# Altium PCB WX0.010.983PCB-4.2(1).PcbDoc (part 1 of 2)
Units mil, origin at the board's own origin, x right, y up, seen from the top; angles counter-clockwise.
Board outline 4734.45 x 7758.08 mil, 2 copper layers (Top Layer, Bottom Layer), stack 12.8 mil thick; 188 components, 143 nets, 633 pads, 443 vias.
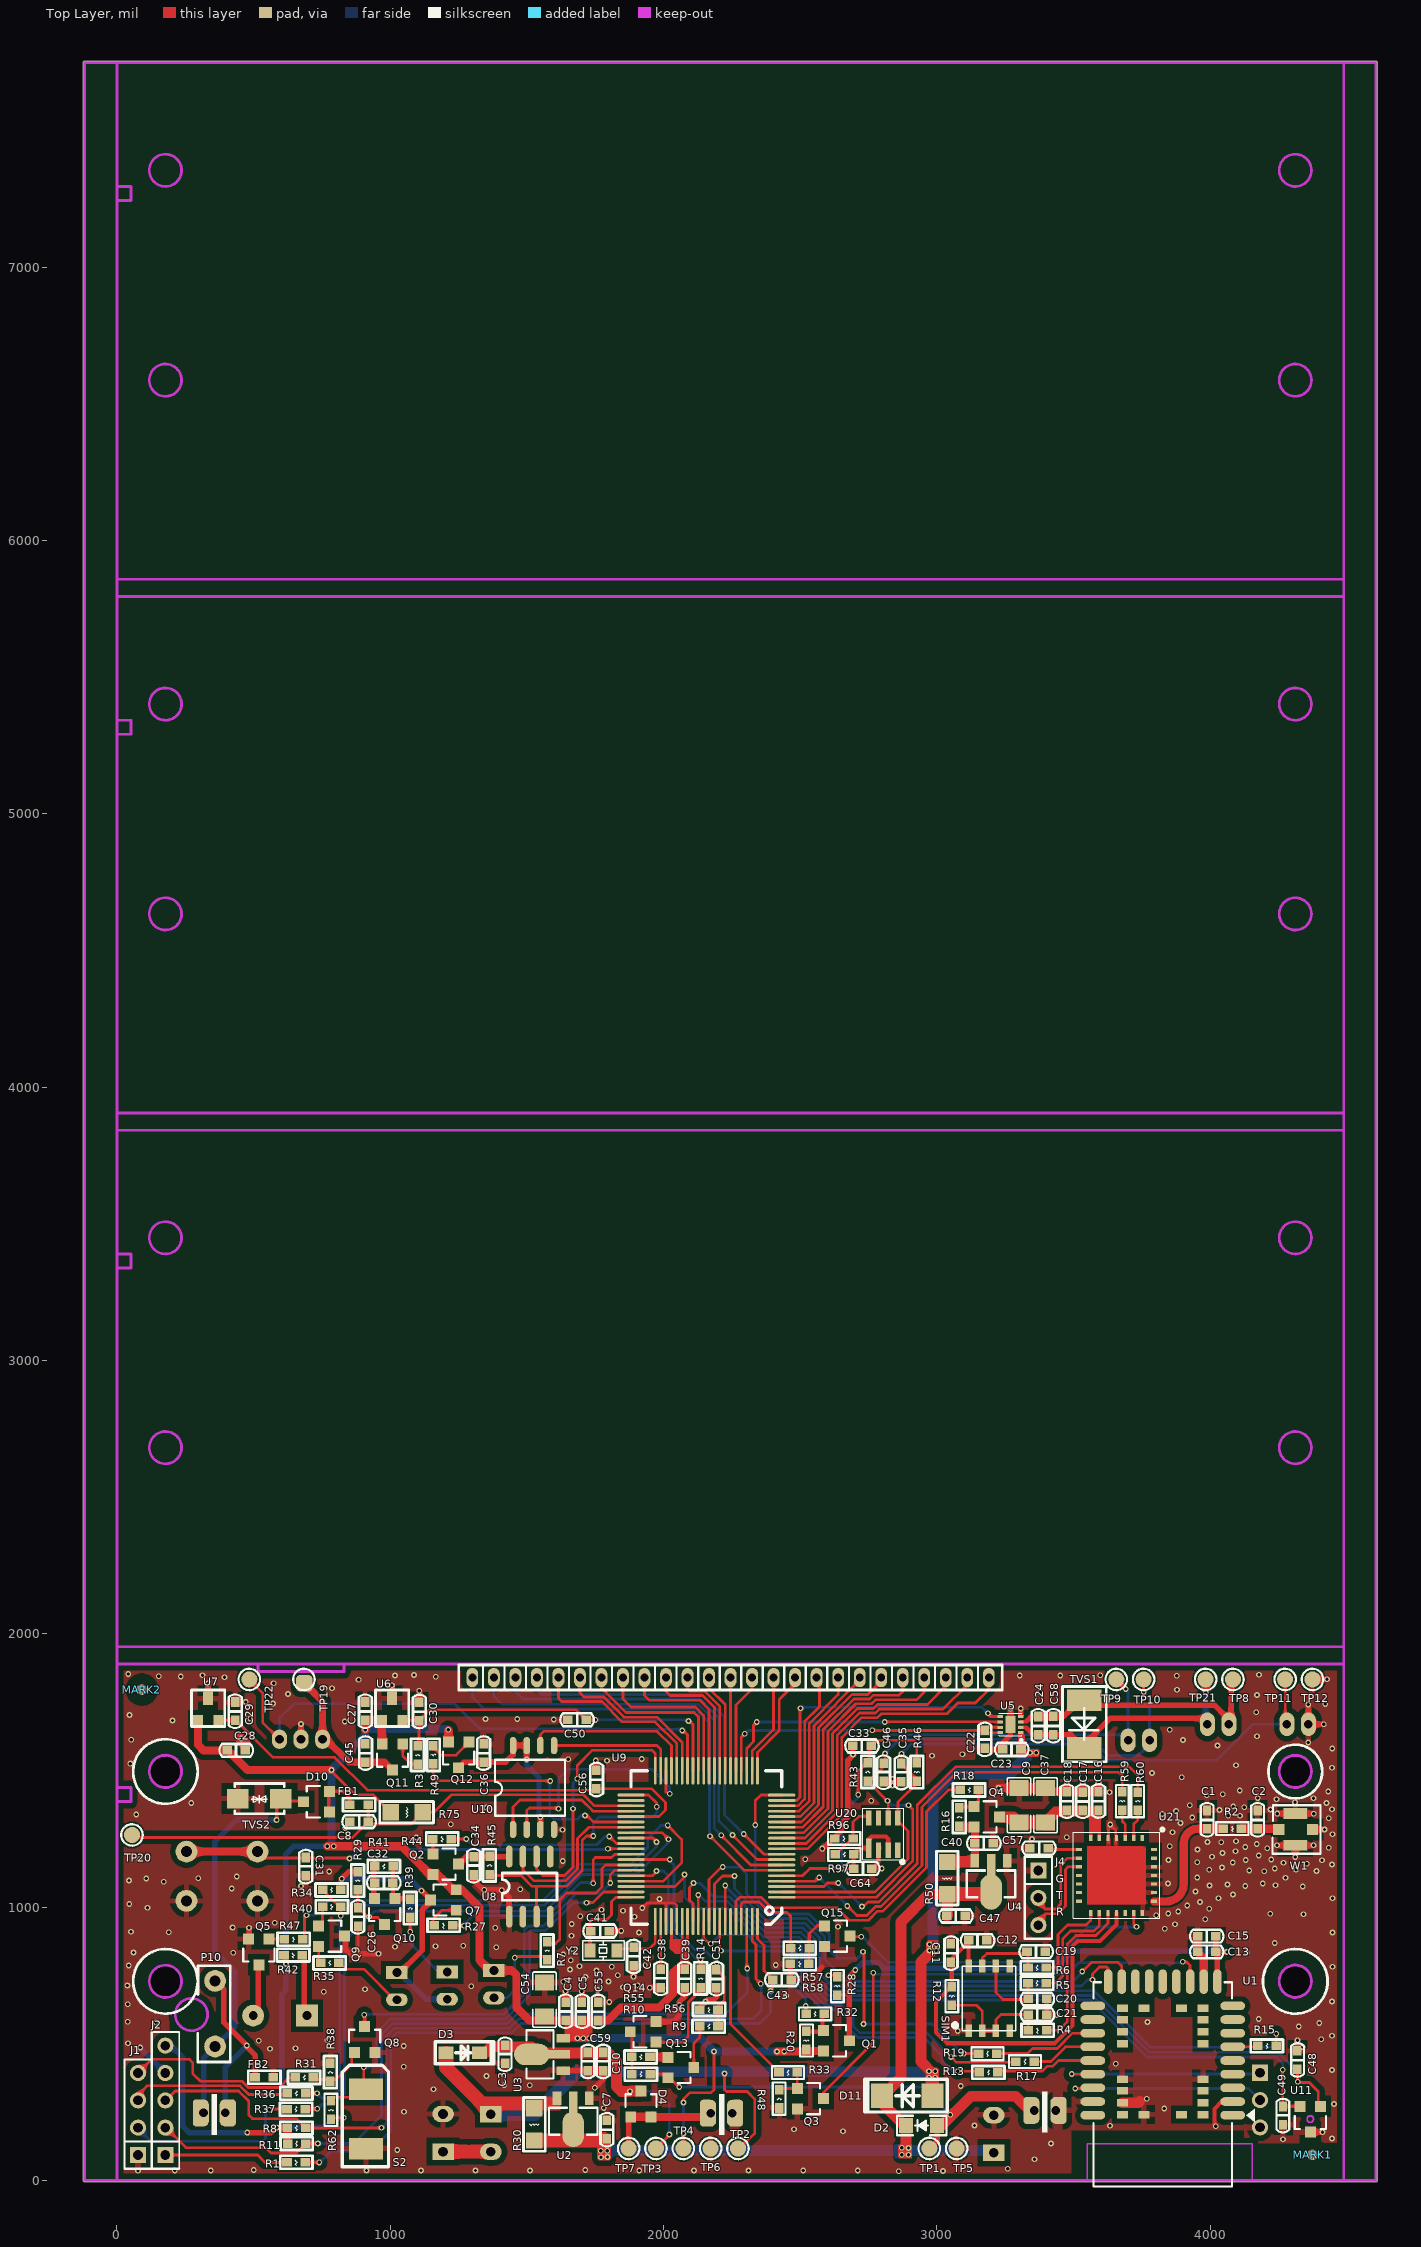
[diagram p0: Top Layer view]
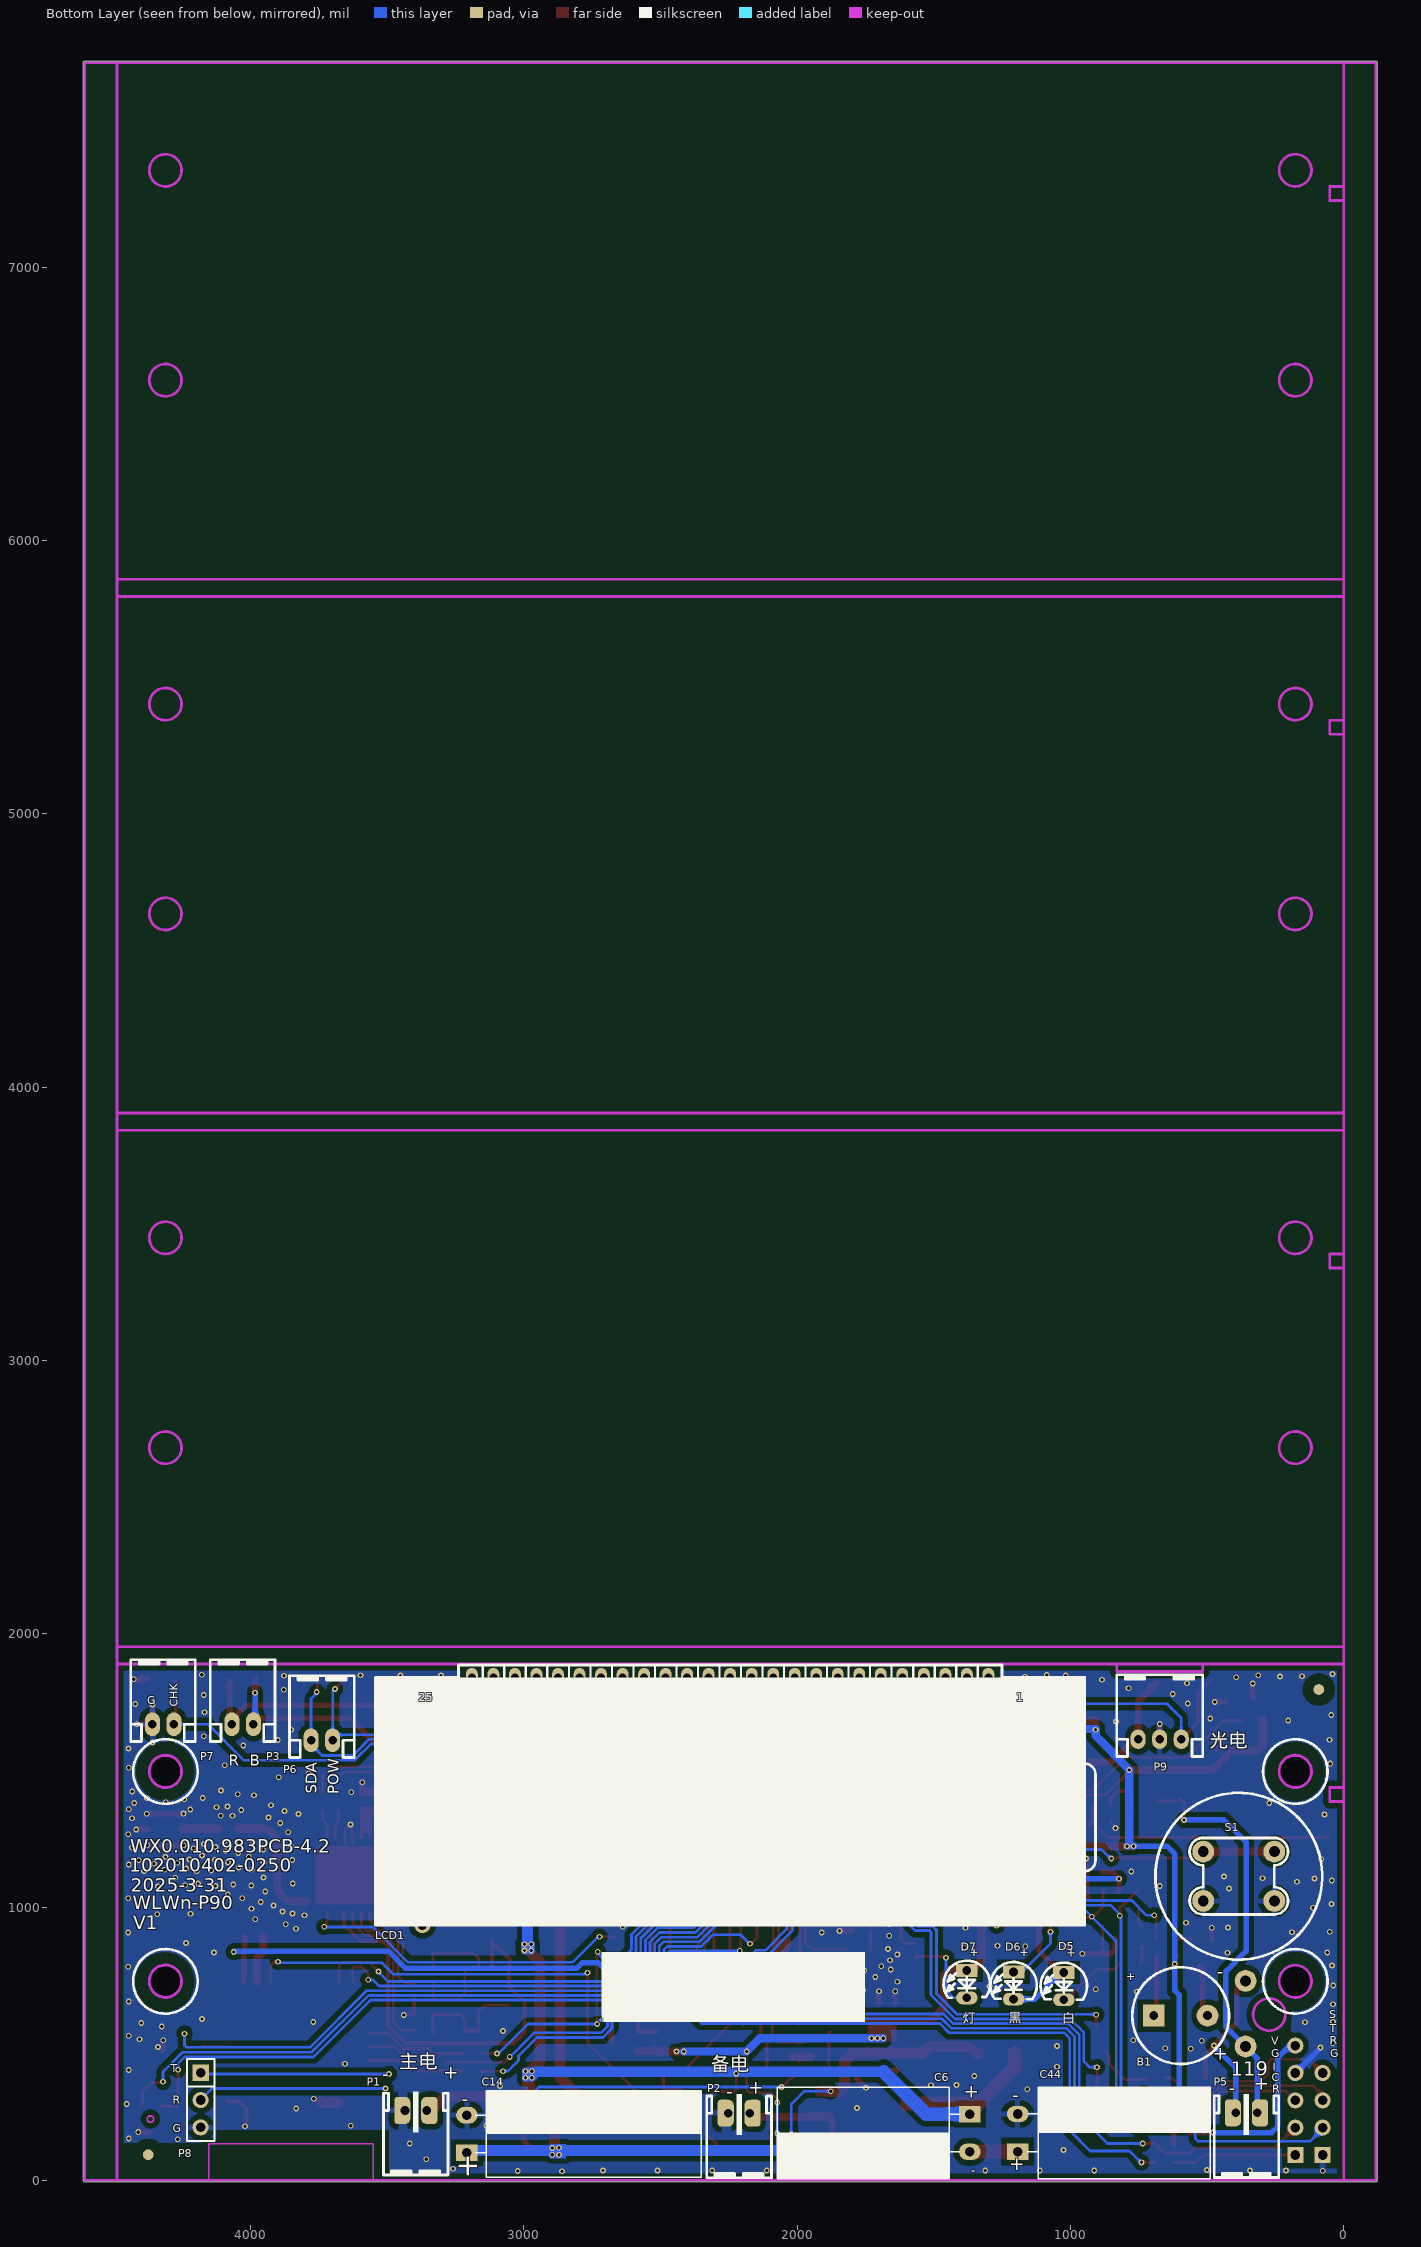
[diagram p1: Bottom Layer view, seen from below]

## Layer stack, top to bottom
Top Solder: solder mask 0.4, Solder Resist, Dk 3.5
Top Layer: signal copper 1.4
Dielectric 1: core 10, FR-4, Dk 4.2
Bottom Layer: signal copper 1.4
Bottom Solder: solder mask 0.4, Solder Resist, Dk 3.5

## Board outline
-123.12,0.27 ccw(c-118.11,0) -118.11,-5.02 4488.19,-5.02 ccw(c4488.19,0) 4488.29,-5.01 4606.31,-5.01 ccw(c4606.31,0) 4611.32,0 4611.32,7747.78 ccw(c4606.31,7748.05) 4611.33,7748.05 ccw(c4606.31,7748.05) 4606.31,7753.07 4488.2,7753.07 ccw(c4488.2,7748.05) 4487.8,7753.05 0.01,7753.07 ccw(c-0.01,7748.05) 0,7753.07 ccw(c-0.01,7748.05) -0.01,7753.07 -118.1,7753.07 ccw(c-118.1,7748.05) -123.12,7748.05
cut-out: 4251.98,1496.05 ccw(c4311.03,1496.05) 4311.03,1437 ccw(c4311.03,1496.05) 4370.09,1496.05 ccw(c4311.03,1496.05) 4311.03,1555.11 ccw(c4311.03,1496.05)
cut-out: 4251.97,728.33 ccw(c4311.03,728.33) 4311.03,669.28 ccw(c4311.03,728.33) 4370.08,728.33 ccw(c4311.03,728.33) 4311.03,787.39 ccw(c4311.03,728.33)
cut-out: 118.1,729.36 ccw(c177.16,729.36) 177.16,670.31 ccw(c177.16,729.36) 236.21,729.36 ccw(c177.16,729.36) 177.16,788.42 ccw(c177.16,729.36)
cut-out: 118.12,1496.08 ccw(c177.17,1496.08) 177.17,1437.02 ccw(c177.17,1496.08) 236.23,1496.08 ccw(c177.17,1496.08) 177.17,1555.13 ccw(c177.17,1496.08)

## Design rules (kind name [scope] priority, off if disabled: settings)
Clearance ATI2 [InNet('NetC2_1')] p1: gap=7 ignorepadtopadclearanceinfootprint=FALSE except(0: Arc-Hole Track-Hole SMDPad-Hole THPad-Hole Via-Hole Fill-Hole Poly-Hole Region-Hole Text-Hole)
Clearance ATI1 [InNet('NetC1_1')] p2: gap=7 ignorepadtopadclearanceinfootprint=FALSE except(0: Arc-Hole Track-Hole SMDPad-Hole THPad-Hole Via-Hole Fill-Hole Poly-Hole Region-Hole Text-Hole)
Clearance VIA-VIA [ISVIA vs ISVIA] p3: gap=20 ignorepadtopadclearanceinfootprint=FALSE except(0: Arc-Hole Track-Hole SMDPad-Hole THPad-Hole Via-Hole Fill-Hole Poly-Hole Region-Hole Text-Hole)
Clearance VIA-PAD [ISVIA vs ISPAD] p4: gap=15 ignorepadtopadclearanceinfootprint=FALSE except(0: Arc-Hole Track-Hole SMDPad-Hole THPad-Hole Via-Hole Fill-Hole Poly-Hole Region-Hole Text-Hole)
Clearance VIA-TRACK [ISVIA vs ISTRACK] p5: gap=15 ignorepadtopadclearanceinfootprint=FALSE except(0: Arc-Hole Track-Hole SMDPad-Hole THPad-Hole Via-Hole Fill-Hole Poly-Hole Region-Hole Text-Hole)
Clearance Polygon [InPolygon] p6: gap=20 ignorepadtopadclearanceinfootprint=FALSE except(0: Arc-Hole Track-Hole SMDPad-Hole THPad-Hole Via-Hole Fill-Hole Poly-Hole Region-Hole Text-Hole)
Clearance [All] p7: gap=7 ignorepadtopadclearanceinfootprint=FALSE except(0: Arc-Hole Track-Hole SMDPad-Hole THPad-Hole Via-Hole Fill-Hole Poly-Hole Region-Hole Text-Hole)
ComponentClearance [All] p1 off: gap=10 collisioncheckmode=3 verticalgap=10 showdistances=FALSE
FabricationTestPointUsage TestPointUsage [All] p1: valid=0 allowmultiple=FALSE
FabricationTestpoint Testpoint [(IsPad And (OnTopLayer Or OnBottomLayer))] p1: side=3 testpointundercomponent=TRUE minsize=40 maxsize=100 preferedsize=60 minholesize=0 maxholesize=40 preferedholesize=32 testpointgrid=1 allowsidetop=TRUE allowsidebottom=TRUE usegrid=TRUE gridtolerance=0.01
HoleSize [All] p1 off: absolutevalues=TRUE maxlimit=300 minlimit=0 maxpercent=80.000 minpercent=20.000
HoleToHoleClearance [All] p1 off: gap=10 allowstackedmicrovias=TRUE
LayerPairs [All] p1 off: enforce=TRUE
MinimumSolderMaskSliver [All] p1 off: minsoldermaskwidth=10
NetAntennae [All] p1 off: netantennaetolerance=0
PlaneConnect [All] p1: planeconnectstyle=Relief reliefexpansion=20 reliefentries=4 reliefconductorwidth=20 reliefairgap=10
PolygonConnect [isvia] p1: connectstyle=Direct reliefconductorwidth=15 reliefentries=4 polygonreliefangle="90 Angle" airgapwidth=10
PolygonConnect PolygonConnect_1 [All] p2: connectstyle=Relief reliefconductorwidth=20 reliefentries=4 polygonreliefangle="90 Angle" airgapwidth=20
RoutingVias [All] p1: holewidth=10 width=20 viastyle="Through Hole" minholewidth=5 minwidth=5 maxholewidth=50 maxwidth=100
SilkToBoardRegionClearance [All] p1 off:
SilkToSilkClearance [All] p1 off: silktosilkclearance=10
SilkToSolderMaskClearance [IsPad] p1 off: minsilkscreentomaskgap=10 clearancetoexposedcopper=TRUE
SolderMaskExpansion [All] p1: expansion=4
Width [All] p1: maxlimit=300 minlimit=8 preferedwidth=10
18 further rules are at their usual default settings.

## Classes and differential pairs
component class WX0.010.981DL: * B1 C8 C26 C27 C28 C29 C30 C31 C32 C33 C35 C36 C38 C39 C41 C42 C43 C45 C46 C48 C49 C50 C56 C64 D5 D6 D7 D10 FB1 FB2 J1 J2 LCD1 MARK1 MARK2 P5 P6 P7 P9 P10 Q5 Q7 Q8 Q9 Q10 Q11 Q12 R1 R3 R7 R8 R11 R27 R29 R31 R34 R35 R36 R37 R38 R39 R40 R41 R42 R43 R46 R47 R49 R75 R96 R97 S1 TP9 TP10 TP11 TP12 TP19 TP20 TP22 TP25 TVS2 U6 U7 U9 U10 U11 U20 Y2
component class WX0.010.982DL: C1 C2 C3 C4 C5 C6 C7 C9 C10 C11 C12 C13 C14 C15 C16 C17 C18 C19 C20 C21 C22 C23 C24 C34 C37 C40 C44 C47 C51 C54 C55 C57 C58 C59 D2 D3 D4 D11 J4 P1 P2 P3 P8 Q1 Q2 Q3 Q4 Q13 Q14 Q15 R2 R4 R5 R6 R9 R10 R12 R13 R14 R15 R16 R17 R18 R19 R20 R28 R30 R32 R33 R44 R45 R48 R50 R55 R56 R57 R58 R59 R60 R62 S2 SIM1 TP1 TP2 TP3 TP4 TP5 TP6 TP7 TP8 TP21 TVS1 U1 U2 U3 U4 U5 U8 U21 W1

## Components (designator, comment, footprint, x,y, rotation, side; value= is the part's Value field where it differs from the comment)
* "Bar Code1" "Bar Code1" 2716,580 r180 bottom
B1 "HYT-0903" HYT-0903 695,603 r180 bottom locked
C1 "NC" CAP0603#1 3988,1287 r90 top
C2 "NC" CAP0603#1 4173,1287 r90 top
C3 "10uF/10V" CAP0603#1 1420,494.51 r270 top
C4 "10uF/10V" CAP0603#1 1641,586 r90 top
C5 "100nF/50V" CAP0603#1 1701,586 r90 top
C6 "1F/2.75V" CAPPC_350_800_1600R 1443,341 r90 bottom locked
C7 "100nF/50V" CAP0603#1 1792,153 r90 top
C8 "100nF/50V" CAP0603#1 918.51,1312 r180 top
C9 "100uF/16V" GRM31CR60J107ME39L 3300,1310 r90 top
C10 "100nF/50V" CAP0603#1 1779,468 r270 top
C11 "100nF/50V" CAP0603#1 3051,799 r90 top
C12 "33pF/50V" CAP0603#1 3116,878 r0 top
C13 "10uF/10V" CAP0603#2 3987,836 r180 top
C14 "1000uF/16V" CAPPC_500_800_2000R 3208,169.9 r90 bottom locked
C15 "1uF/16V" CAP0603#2 3987,893 r180 top
C16 "100nF/50V" CAP0603#1 3591,1355.5 r90 top
C17 "33pF/50V" CAP0603#1 3533,1354.5 r90 top
C18 "10pF/50V" CAP0603#1 3475,1355 r90 top
C19 "33pF/50V" CAP0603#1 3330,837 r0 top
C20 "33pF/50V" CAP0603#1 3335,664 r0 top
C21 "33pF/50V" CAP0603#1 3335,607 r0 top
C22 "100nF/50V" CAP0603#1 3175,1581 r90 top
C23 "100nF/50V" CAP0603#1 3241,1577 r0 top
C24 "100nF/50V" CAP0603#1 3370,1630.84 r90 top
C26 "100pF/50V" CAP0603#1 882,997 r270 top
C27 "1uF/16V" CAP0603#1 908,1684 r90 top
C28 "1uF/16V" CAP0603#1 403.49,1574 r0 top
C29 "1nF/50V" CAP0603#1 432,1684 r90 top
C30 "1nF/50V" CAP0603#1 1106,1683 r90 top
C31 "100nF/50V" CAP0603#1 691,1181 r270 top
C32 "10pF/50V" CAP0603#1 1009,1089 r180 top
C33 "100nF/50V" CAP0603#1 2693,1590 r0 top
C34 "100nF/50V" CAP0603#1 1305,1184 r270 top
C35 "100nF/50V" CAP0603#1 2870,1525 r270 top
C36 "100nF/50V" CAP0603#1 1341,1531 r90 top
C37 "100uF/16V" GRM31CR60J107ME39L 3397,1310 r90 top
C38 "100nF/50V" CAP0603#1 1990,772 r270 top
C39 "100nF/50V" CAP0603#1 2077,706 r90 top
C40 "100nF/50V" CAP0603#1 3139,1234 r0 top
C41 "12pF/50V" CAP0603#1 1800,912 r180 top
C42 "12pF/50V" CAP0603#1 1890,852 r270 top
C43 "33pF/50V" CAP0603#1 2400,735 r0 top
C44 "1F/2.75V" CAPPC_350_800_1600R 1118,7 r270 bottom
C45 "1uF/16V" CAP0603#1 909,1531 r90 top
C46 "33pF/50V" CAP0603#1 2805,1526 r270 top
C47 "100nF/50V" CAP0603#1 3036.49,968 r0 top
C48 "1uF/16V" CAP0603#1 4319,408 r90 top
C49 "1nF/50V" CAP0603#1 4266,270 r270 top
C50 "33pF/50V" CAP0603#1 1716,1685 r180 top
C51 "10pF/50V" CAP0603#1 2193,705 r90 top
C54 "100uF/16V" GRM31CR60J107ME39L 1564,599 r90 top
C55 "22pF/50V" CAP0603#1 1760,585.51 r90 top
C56 "33pF/50V" CAP0603#1 1754,1434 r90 top
C57 "1uF/16V" CAP0603#1 3406,1216 r180 top
C58 "33pF/50V" CAP0603#1 3426,1631 r90 top
C59 "33pF/50V" CAP0603#1 1723,468 r270 top
C64 "100nF/50V" CAP0603#1 2761.51,1141 r180 top
D2 "DS36W" SOD-123FL#1 3003.91,201 r180 top
D3 "DS12W" SOD-123FL#2 1204,467 r0 top
D4 "BAT54CLT1" SOT-23#1 1917,280 r0 top
D5 "AT203" IR_254_532_300 1024,761 r180 bottom locked
D6 "AT403" IR_254_532_300 1208,763 r180 bottom locked
D7 "LED_T3R" LED2_300 1379,768 r180 bottom locked
D10 "BAT54CLT1" SOT-23#1 729.76,1385.4 r90 top
D11 "SS12" DO-214AC 2891,310 r180 top
FB1 "FB03SN3000_30R" IND0603 919,1374 r180 top
FB2 "FB03SN3000_30R" IND0603 572,377 r180 top
J1 "PIN254_1*4*WXHJ" PIN254_1*4*WXHJ 77,93 r90 top
J2 "PIN254_1*5*WXHJ" PIN254_1*5*WXHJ 177,93 r90 top locked
J4 "CON3" PIN254_1*3*WXHJ 3371,1134 r270 top
LCD1 "GVH21861A-HPP" LCD_GVH21861A-HPP 1300,1840 r180 bottom locked
MARK1 "MARK" MARK 4374,94 r90 top
MARK2 "MARK" MARK 91,1796 r90 top
P1 "PH200_1*2R" PH200_1*2R_BAT 3395,256 r180 bottom locked
P2 "PH200_1*2R" PH200_1*2R_BAT 2212,246 r180 bottom
P3 "PH200_1*2R" PH200_1*2R 4028.63,1669 r0 bottom
P5 "PH200_1*2R" PH200_1*2R_BAT 356,247 r180 bottom
P6 "PH200_1*2R" PH200_1*2R 3738.63,1610 r0 bottom locked
P7 "PH200_1*2R" PH200_1*2R 4319.63,1669 r0 bottom locked
P8 "PIN254_1*3" PIN254_1*3*WXHJ 4182,394 r270 bottom
P9 "PH200_1*3R" PH200_1*3R 752,1614 r0 bottom
P10 "90 mm    WX100.060.LJ" WXHJ_Connect_01 359,490 r180 top
Q1 "UT3401ZG" SOT-23#1 2632,511 r270 top
Q2 "PNPS-9012" SOT-23#1 1203,1157 r270 top
Q3 "NPNS-9013" SOT-23#1 2537,299 r270 top
Q4 "UT3401ZG" SOT-23#1 3182,1330 r270 top
Q5 "NPNS-9013" SOT-23#1 519,836 r180 top
Q7 "PNPS-9012" SOT-23#1 1194,1026 r90 top
Q8 "NPNS-9013" SOT-23#1 906,516 r0 top
Q9 "PNPS-9012" SOT-23#1 785,894 r270 top
Q10 "NPNS-9013" SOT-23#1 979,984 r180 top
Q11 "PNPS-9012" SOT-23#1 1008,1549 r180 top
Q12 "PNPS-9012" SOT-23#1 1250,1557 r180 top
Q13 "PNPS-9012" SOT-23#1 2063,413 r270 top
Q14 "NPNS-9013" SOT-23#1 1925,544 r90 top
Q15 "NPNS-9013" SOT-23#1 2635,894 r270 top
R1 "100R 5%" RES0603 689,66 r180 top
R2 "0R 5%" RES0603 4114.02,1286.69 r180 top
R3 "3K 5%" RES0603 1100,1590 r270 top
R4 "22R 5%" RES0603 3401,549 r180 top
R5 "22R 5%" RES0603 3333,722 r0 top
R6 "22R 5%" RES0603 3333,779 r0 top
R7 "1K 5%" RES0603 1574,874 r270 top
R8 "10K 5%" RES0603 623,192 r0 top
R9 "330K 5%" RES0603 2132,564 r0 top
R10 "10K 5%" RES0603 1884,389 r0 top
R11 "10K 5%" RES0603 624,135 r0 top
R12 "10K 5%" RES0603 3054,641 r90 top
R13 "1K 5%" RES0603 3155,396 r0 top
R14 "3K 5%" RES0603 2136,772 r270 top
R15 "1K 5%" RES0603 4174,493 r0 top
R16 "2M 5%" RES0603 3082,1363 r270 top
R17 "1K 5%" RES0603 3289,435 r0 top
R18 "200K 5%" RES0603 3085,1429 r0 top
R19 "1K 5%" RES0603 3152,464 r0 top
R20 "2M 5%" RES0603 2522,479 r90 top
R27 "3K 5%" RES0603 1228,933 r180 top
R28 "1K 5%" RES0603 2635,678 r90 top
R29 "20K 5%" RES0603 881,1130 r270 top
R30 "0R 5%" RES1206 1527,146 r90 top
R31 "3K 5%" RES0603 652,377 r0 top
R32 "200K 5%" RES0603 2521,610 r0 top
R33 "3K 5%" RES0603 2422,395 r0 top
R34 "20K 5%" RES0603 752,1063 r0 top
R35 "100R 5%" RES0603 745,796 r0 top
R36 "1K 5%" RES0603 623,319 r0 top
R37 "1K 5%" RES0603 622,261 r0 top
R38 "1K 5%" RES0603 781,429 r270 top
R39 "20K 5%" RES0603 1073,1029 r270 top
R40 "3K 5%" RES0603 819,1001 r180 top
R41 "47K 5%" RES0603 943,1149.26 r0 top
R42 "51R 5%" RES0603 678,824 r180 top
R43 "5.1K 5%" RES0603 2747,1528 r270 top
R44 "3K 5%" RES0603 1223,1249 r180 top
R45 "20K 5%" RES0603 1363,1186 r270 top
R46 "5.1K 5%" RES0603 2926,1461 r90 top
R47 "3K 5%" RES0603 679,882 r180 top
R48 "20K 5%" RES0603 2423,332 r270 top
R49 "3K 5%" RES0603 1157,1524 r90 top
R50 "0R 5%" RES1206 3038,1047 r90 top
R55 "10K 5%" RES0603 1883,452 r0 top
R56 "220K 5%" RES0603 2199,625 r180 top
R57 "3K 5%" RES0603 2465,850 r0 top
R58 "20K 5%" RES0603 2531,792 r180 top
R59 "1K 5%" RES0603 3678,1354.87 r90 top
R60 "1K 5%" RES0603 3735,1420.87 r270 top
R62 "1M 5%" RES0603 783,291 r270 top
R75 "0R 5%" RES1206 1119,1347 r180 top
R96 "10K 5%" RES0603 2693,1251 r180 top
R97 "10K 5%" RES0603 2628,1193 r0 top
S1 "SWT_4_600_600_430" SWT_4_600_600 384,1113 r0 bottom locked
S2 "SWS_2_520_300_300" SWS_2_520_300 911,333 r90 top
SIM1 "SIMIC" SIMIC 3289,784 r180 top locked
TP1 "TEST-PAD" TEST-PAD#1 2972,117 r0 top locked
TP2 "TEST-PAD" TEST-PAD#1 2272,117 r0 top locked
TP3 "TEST-PAD" TEST-PAD#1 1972,117 r0 top locked
TP4 "TEST-PAD" TEST-PAD#1 2072,117 r0 top locked
TP5 "TEST-PAD" TEST-PAD#1 3072,117 r0 top
TP6 "TEST-PAD" TEST-PAD#1 2172,117 r0 top locked
TP7 "TEST-PAD" TEST-PAD#1 1872,117 r0 top locked
TP8 "TEST-PAD" TEST-PAD#1 4083,1833 r0 top locked
TP9 "TEST-PAD" TEST-PAD#1 3656,1833 r0 top locked
TP10 "TEST-PAD" TEST-PAD#1 3756,1833 r90 top locked
TP11 "TEST-PAD" TEST-PAD#1 4274,1833 r90 top locked
TP12 "TEST-PAD" TEST-PAD#1 4374,1833 r0 top locked
TP19 "TEST-PAD" TEST-PAD#2 684,1833 r90 top
TP20 "TEST-PAD" TEST-PAD#1 55,1264 r90 top
TP21 "TEST-PAD" TEST-PAD#1 3983,1833 r90 top locked
TP22 "TEST-PAD" TEST-PAD#1 484,1833 r90 top locked
TVS1 "SMBJ6.0CA" DO-214AA 3539,1762 r270 top
TVS2 "SMAJ5.0CA" SMAJ5.0CA 521,1397 r0 top
U1 "L-NLEEB21-G5PP4" L-NLEEB21-G5BP4 3572.17,725.25 r180 top locked
U2 "CE6232A50P" SOT-89 1669,265.74 r180 top
U3 "CE6232A33P" SOT-89 1596.74,461 r90 top
U4 "CE6232A36P" SOT-89 3198,1134 r180 top
U5 "DRV8837DSGR" S-PWSON-N8 3269,1667.84 r180 top
U6 "S-5712ACDL1" SOT-23#2 1006,1719 r0 top locked
U7 "S-5712ACDL1" SOT-23#2 333,1719 r0 top locked
U8 "ESAM" SOP-8 1435,965 r90 top
U9 "FM33LG0x8" LQFP80 2432,1036 r90 top locked
U10 "GD25VQ80CSIG" SOP-8L-200MIL 1449,1284 r90 top locked
U11 "S-5712ACDL1" SOT-23#1 4366,224 r180 top